# KiCad board Registers.kicad_pcb (continued)
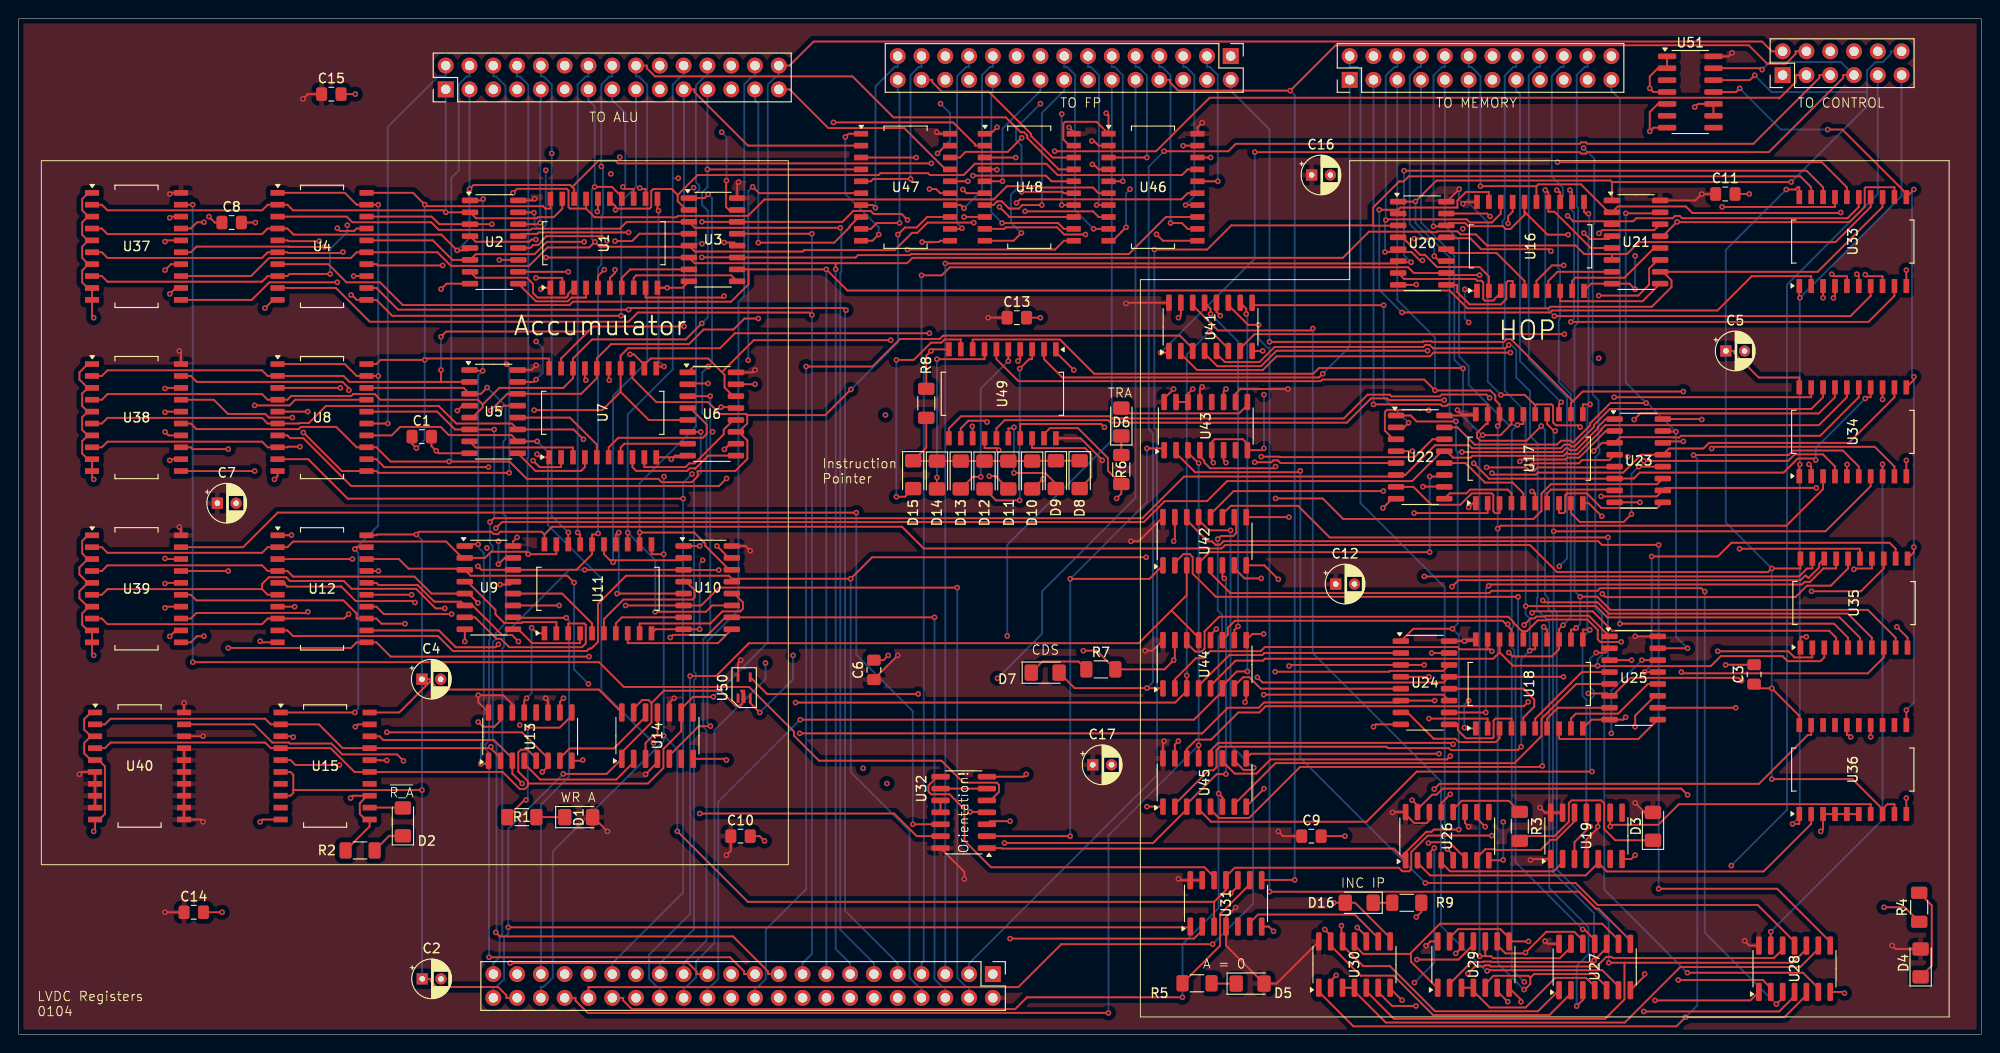
[diagram p0: board, top side]
## Footprints (pads in the part's own frame, mm; a bottom-side part is the same pattern mirrored in y, then rotated)
C_0805_2012Metric_Pad1.18x1.45mm_HandSolder
  rrect 1.175x1.45 smd: 1(-1.038,0) 2(1.038,0)
CP_Radial_D4.0mm_P2.00mm
  rect 1.2x1.2 hole 0.6: 1(0,0)
  round 1.2 hole 0.6: 2(2,0)
LED_1206_3216Metric_Pad1.42x1.75mm_HandSolder
  rrect 1.425x1.75 smd: 1(-1.488,0) 2(1.488,0)
PinHeader_2x06_P2.54mm_Vertical
  rect 1.7x1.7 hole 1: 1(0,0)
  oval 1.7x1.7 hole 1: 2(2.54,0) 3(0,-2.54) 4(2.54,-2.54) 5(0,-5.08) 6(2.54,-5.08) 7(0,-7.62) 8(2.54,-7.62) 9(0,-10.16) 10(2.54,-10.16) 11(0,-12.7) 12(2.54,-12.7)
PinHeader_2x12_P2.54mm_Vertical
  rect 1.7x1.7 hole 1: 1(0,0)
  oval 1.7x1.7 hole 1: 2(2.54,0) 3(0,-2.54) 4(2.54,-2.54) 5(0,-5.08) 6(2.54,-5.08) 7(0,-7.62) 8(2.54,-7.62) 9(0,-10.16) 10(2.54,-10.16) 11(0,-12.7) 12(2.54,-12.7) 13(0,-15.24) 14(2.54,-15.24) 15(0,-17.78) 16(2.54,-17.78) 17(0,-20.32) 18(2.54,-20.32) 19(0,-22.86) 20(2.54,-22.86) 21(0,-25.4) 22(2.54,-25.4) 23(0,-27.94) 24(2.54,-27.94)
PinHeader_2x15_P2.54mm_Vertical
  rect 1.7x1.7 hole 1: 1(0,0)
  oval 1.7x1.7 hole 1: 2(2.54,0) 3(0,-2.54) 4(2.54,-2.54) 5(0,-5.08) 6(2.54,-5.08) 7(0,-7.62) 8(2.54,-7.62) 9(0,-10.16) 10(2.54,-10.16) 11(0,-12.7) 12(2.54,-12.7) 13(0,-15.24) 14(2.54,-15.24) 15(0,-17.78) 16(2.54,-17.78) 17(0,-20.32) 18(2.54,-20.32) 19(0,-22.86) 20(2.54,-22.86) 21(0,-25.4) 22(2.54,-25.4) 23(0,-27.94) 24(2.54,-27.94) 25(0,-30.48) 26(2.54,-30.48) 27(0,-33.02) 28(2.54,-33.02) 29(0,-35.56) 30(2.54,-35.56)
PinHeader_2x22_P2.54mm_Vertical
  rect 1.7x1.7 hole 1: 1(0,0)
  oval 1.7x1.7 hole 1: 2(2.54,0) 3(0,-2.54) 4(2.54,-2.54) 5(0,-5.08) 6(2.54,-5.08) 7(0,-7.62) 8(2.54,-7.62) 9(0,-10.16) 10(2.54,-10.16) 11(0,-12.7) 12(2.54,-12.7) 13(0,-15.24) 14(2.54,-15.24) 15(0,-17.78) 16(2.54,-17.78) 17(0,-20.32) 18(2.54,-20.32) 19(0,-22.86) 20(2.54,-22.86) 21(0,-25.4) 22(2.54,-25.4) 23(0,-27.94) 24(2.54,-27.94) 25(0,-30.48) 26(2.54,-30.48) 27(0,-33.02) 28(2.54,-33.02) 29(0,-35.56) 30(2.54,-35.56) 31(0,-38.1) 32(2.54,-38.1) 33(0,-40.64) 34(2.54,-40.64) 35(0,-43.18) 36(2.54,-43.18) 37(0,-45.72) 38(2.54,-45.72) 39(0,-48.26) 40(2.54,-48.26) 41(0,-50.8) 42(2.54,-50.8) 43(0,-53.34) 44(2.54,-53.34)
R_1206_3216Metric_Pad1.30x1.75mm_HandSolder
  rrect 1.3x1.75 smd: 1(-1.55,0) 2(1.55,0)
SO-14_3.9x8.65mm_P1.27mm
  rrect 1.95x0.6 smd: 1(-2.475,3.81) 2(-2.475,2.54) 3(-2.475,1.27) 4(-2.475,0) 5(-2.475,-1.27) 6(-2.475,-2.54) 7(-2.475,-3.81) 8(2.475,-3.81) 9(2.475,-2.54) 10(2.475,-1.27) 11(2.475,0) 12(2.475,1.27) 13(2.475,2.54) 14(2.475,3.81)
SO-16_3.9x9.9mm_P1.27mm
  rrect 1.75x0.6 smd: 1(-2.575,4.445) 2(-2.575,3.175) 3(-2.575,1.905) 4(-2.575,0.635) 5(-2.575,-0.635) 6(-2.575,-1.905) 7(-2.575,-3.175) 8(-2.575,-4.445) 9(2.575,-4.445) 10(2.575,-3.175) 11(2.575,-1.905) 12(2.575,-0.635) 13(2.575,0.635) 14(2.575,1.905) 15(2.575,3.175) 16(2.575,4.445)
SO-20_12.8x7.5mm_P1.27mm
  rect 1.5x0.6 smd: 1(-4.75,5.715) 2(-4.75,4.445) 3(-4.75,3.175) 4(-4.75,1.905) 5(-4.75,0.635) 6(-4.75,-0.635) 7(-4.75,-1.905) 8(-4.75,-3.175) 9(-4.75,-4.445) 10(-4.75,-5.715) 11(4.75,-5.715) 12(4.75,-4.445) 13(4.75,-3.175) 14(4.75,-1.905) 15(4.75,-0.635) 16(4.75,0.635) 17(4.75,1.905) 18(4.75,3.175) 19(4.75,4.445) 20(4.75,5.715)
SOIC-6
  rect 0.3x1 smd: 1(-0.65,-1.125) 2(0,-1.125) 3(0.65,-1.125) 4(0.65,1.125) 5(-0.65,1.125)

## Nets
+5V: C6.1 C7.1 C8.1 C9.1 C10.1 C11.1 C12.1 C13.1 C14.1 C15.1 C16.1 C17.1 D1.2 D3.2 D4.2 D5.2 J1.2 U2.16 U3.16 U5.16 U6.16 U9.16 U10.16 U13.11 U13.14 U13.16 U14.4 U14.10 U16.20 U17.20 U18.20 U19.1 U19.4 U19.10 U19.13 U19.14 U20.16 U21.16 U22.16 U23.16 U24.16 U25.16 U26.11 U26.14 U26.16 U27.14 U28.14 U29.14 U30.14 U31.4 U31.10 U31.13 U31.14 U32.14 U37.20 U38.20 U39.20 U40.6 U40.7 U40.8 U40.9 U40.11 U40.12 U40.13 U40.14 U40.15 U40.16 U40.17 U40.18 U40.20 U41.16 U42.16 U43.6 U43.10 U43.13 U43.16 U44.16 U45.16 U46.20 U47.20 U48.20 U49.20 U50.5 U51.14
+6V: C1.1 C2.1 C3.1 C4.1 C5.1 J1.42 U1.20 U4.20 U7.20 U8.20 U11.20 U12.20 U14.14 U15.6 U15.8 U15.20 U33.20 U34.20 U35.20 U36.8 U36.9 U36.20
GND: C1.2 C2.2 C3.2 C4.2 C5.2 C6.2 C7.2 C8.2 C9.2 C10.2 C11.2 C12.2 C13.2 C14.2 C15.2 C16.2 C17.2 J1.1 J2.5 J2.12 J2.19 J2.26 J3.6 J3.10 J4.17 J4.24 J5.4 J5.6 R2.1 R6.1 R7.2 R8.1 R9.1 U1.1 U1.10 U2.8 U2.15 U3.8 U3.15 U4.10 U5.8 U5.15 U6.8 U6.15 U7.1 U7.10 U8.10 U9.8 U9.15 U10.8 U10.15 U11.1 U11.10 U12.10 U13.8 U13.10 U13.13 U13.15 U14.7 U15.10 U15.11 U15.13 U15.19 U16.1 U16.10 U17.1 U17.10 U18.1 U18.10 U19.7 U20.8 U21.8 U22.8 U23.8 U24.8 U25.8 U26.8 U26.10 U26.13 U27.7 U28.7 U29.7 U30.7 U31.7 U32.7 U33.10 U34.10 U35.10 U36.3 U36.4 U36.5 U36.6 U36.10 U37.1 U37.3 U37.5 U37.7 U37.9 U37.10 U37.12 U37.14 U37.16 U37.18 U38.1 U38.3 U38.5 U38.7 U38.9 U38.10 U38.12 U38.14 U38.16 U38.18 U39.1 U39.3 U39.5 U39.7 U39.9 U39.10 U39.12 U39.14 U39.16 U39.18 U40.1 U40.3 U40.5 U40.10 U41.8 U41.15 U42.8 U42.15 U43.5 U43.8 U43.11 U43.14 U43.15 U44.8 U44.15 U45.8 U45.15 U46.1 U46.10 U46.19 U47.1 U47.10 U47.19 U48.1 U48.10 U48.19 U49.1 U49.10 U49.19 U50.3 U51.1 U51.2 U51.4 U51.5 U51.7 U51.9 U51.10
A0: J2.1 U1.19 U2.2 U4.2 U37.2 U46.2
A1: J2.3 U1.18 U2.5 U4.4 U37.4 U46.4
A2: J2.7 U1.17 U2.11 U4.6 U37.6 U46.6
A3: J2.9 U1.16 U2.14 U4.8 U37.8 U46.8
A4: J2.11 U1.15 U3.2 U4.17 U37.11 U46.17
A5: J2.13 U1.14 U3.5 U4.15 U37.13 U46.15
A6: J2.15 U1.13 U3.11 U4.13 U37.15 U46.13
A7: J2.17 U1.12 U3.14 U4.11 U37.17 U46.11
A8: J2.21 U5.2 U7.19 U8.2 U38.2 U47.2
A9: J2.23 U5.5 U7.18 U8.4 U38.4 U47.4
A10: J2.25 U5.11 U7.17 U8.6 U38.6 U47.6
A11: J2.27 U5.14 U7.16 U8.8 U38.8 U47.8
A12: J2.29 U6.2 U7.15 U8.17 U38.11 U47.17
A13: J2.2 U6.5 U7.14 U8.15 U38.13 U47.15
A14: J2.4 U6.11 U7.13 U8.13 U38.15 U47.13
A15: J2.6 U6.14 U7.12 U8.11 U38.17 U47.11
A16: J2.8 U9.2 U11.19 U12.2 U39.2 U48.2
A17: J2.10 U9.5 U11.18 U12.4 U39.4 U48.4
A18: J2.14 U9.11 U11.17 U12.6 U39.6 U48.6
A19: J2.16 U9.14 U11.16 U12.8 U39.8 U48.8
A20: J2.18 U10.2 U11.15 U12.17 U39.11 U48.17
A21: J2.20 U10.5 U11.14 U12.15 U39.13 U48.15
A22: J2.22 U10.11 U11.13 U12.13 U39.15 U48.13
A23: J2.24 U10.14 U11.12 U12.11 U39.17 U48.11
A24: J2.28 U13.2 U14.5 U15.2 U15.17 U40.2
A25: J2.30 J3.2 U13.5 U14.9 U15.4 U15.15 U40.4
ACCUM_ZERO: J3.4 J5.8 U31.8
ACCW: J3.1 U2.1 U3.1 U5.1 U6.1 U9.1 U10.1 U13.1
BUFF_A0: J5.1 U46.18
BUFF_A1: J5.3 U46.16
BUFF_A2: J5.5 U46.14
BUFF_A3: J5.7 U46.12
BUFF_A4: J5.9 U46.3
BUFF_A5: J5.11 U46.5
BUFF_A6: J5.13 U46.7
BUFF_A7: J5.15 U46.9
BUFF_A8: J5.17 U47.18
BUFF_A9: J5.19 U47.16
BUFF_A10: J5.21 U47.14
BUFF_A11: J5.23 U47.12
BUFF_A12: J5.25 U47.3
BUFF_A13: J5.27 U47.5
BUFF_A14: J5.29 U47.7
BUFF_A15: J5.30 U47.9
BUFF_A16: J5.28 U48.18
BUFF_A17: J5.26 U48.16
BUFF_A18: J5.24 U48.14
BUFF_A19: J5.22 U48.12
BUFF_A20: J5.20 U48.3
BUFF_A21: J5.18 U48.5
BUFF_A22: J5.16 U48.7
BUFF_A23: J5.14 U48.9
BUFF_A24: J5.12 U15.3
BUFF_A25: J5.10 U15.5
CDS: D7.2 J3.5 U44.1 U45.1
CLK: J1.40 U1.11 U7.11 U11.11 U14.3 U14.11 U16.11 U17.11 U18.11 U19.3 U19.11 U31.3 U31.11
CSYLLABLE: J3.8 U16.13 U33.8 U41.2
DB0: J1.3 U2.3 U4.18 U20.3 U33.19
DB1: J1.5 U2.6 U4.16 U20.6 U33.18
DB2: J1.7 U2.10 U4.14 U20.10 U33.17
DB3: J1.9 U2.13 U4.12 U20.13 U33.16
DB4: J1.11 U3.3 U4.3 U21.3 U33.15
DB5: J1.13 U3.6 U4.5 U21.6 U33.14
DB6: J1.15 U3.10 U4.7 U21.10 U33.13
DB7: J1.17 U3.13 U4.9 U21.13 U33.12
DB8: J1.19 U5.3 U8.18 U22.3 U34.19
DB9: J1.21 U5.6 U8.16 U22.6 U34.18
DB10: J1.23 U5.10 U8.14 U22.10 U34.17
DB11: J1.25 U5.13 U8.12 U22.13 U34.16
DB12: J1.27 U6.3 U8.3 U23.3 U34.15
DB13: J1.29 U6.6 U8.5 U23.6 U34.14
DB14: J1.31 U6.10 U8.7 U23.10 U34.13
DB15: J1.33 U6.13 U8.9 U23.13 U34.12
DB16: J1.35 U9.3 U12.18 U24.3 U35.19
DB17: J1.37 U9.6 U12.16 U24.6 U35.18
DB18: J1.39 U9.10 U12.14 U24.10 U35.17
DB19: J1.41 U9.13 U12.12 U24.13 U35.16
DB20: J1.43 U10.3 U12.3 U25.3 U35.15
DB21: J1.4 U10.6 U12.5 U25.6 U35.14
DB22: J1.6 U10.10 U12.7 U25.10 U35.13
DB23: J1.8 U10.13 U12.9 U25.13 U35.12
DB24: J1.10 U13.3 U15.18 U26.3 U36.19
DB25: J1.12 U13.6 U15.16 U26.6 U36.14
HOP_15: J5.2 U17.12 U23.14 U34.9
HOP_COPY: U33.11 U34.11 U35.11 U36.11 U51.11
HOP_DATA_SM: U18.19 U35.2 U44.2
HOP_DM0: J4.19 U18.18 U35.3 U44.5
HOP_DM1: J4.21 U18.17 U35.4 U44.11
HOP_DM2: J4.23 U18.16 U35.5 U44.14
HOP_DS0: J4.16 U18.15 U35.6 U45.2
HOP_DS1: J4.18 U18.14 U35.7 U45.5
HOP_DS2: J4.20 U18.13 U35.8 U45.11
HOP_DS3: J4.22 U18.12 U35.9 U45.14
HOP_IM0: J4.2 U19.9 U26.5 U36.7
HOP_IM1: J4.4 U16.19 U20.2 U33.2
HOP_IM2: J4.6 U16.18 U20.5 U33.3
HOP_INSTR_SM: U19.5 U26.2 U36.2
HOP_IP0: J4.1 U16.12 U27.2 U30.13 U33.9 U49.2
HOP_IP1: J4.3 U17.19 U27.10 U29.2 U34.2 U49.4
HOP_IP2: J4.5 U17.18 U27.5 U29.5 U34.3 U49.6
HOP_IP3: J4.7 U17.17 U27.13 U29.10 U34.4 U49.8
HOP_IP4: J4.9 U17.16 U28.1 U29.12 U34.5 U49.17
HOP_IP5: J4.11 U17.15 U28.5 U30.1 U34.6 U49.15
HOP_IP6: J4.13 U17.14 U28.10 U30.5 U34.7 U49.13
HOP_IP7: J4.15 U17.13 U28.13 U34.8 U49.11
HOP_IS0: J4.8 U16.17 U20.11 U33.4
HOP_IS1: J4.10 U16.16 U20.14 U33.5
HOP_IS2: J4.12 U16.15 U21.2 U33.6
HOP_IS3: J4.14 U16.14 U21.5 U33.7
HOPW: J3.12 U20.1 U21.1 U22.1 U23.1 U24.1 U25.1 U26.1 U32.1 U51.12
I0: J1.14
I1: J1.16
I2: J1.18
I3: J1.20
I4: J1.22 U41.3
I5: J1.24 U41.6 U44.3
I6: J1.26 U41.10 U44.6
I7: J1.28 U41.13 U44.10
I8: J1.30 U42.3 U44.13
I9: J1.32 U42.6 U45.3
I10: J1.34 U42.10 U45.6
I11: J1.36 U42.13 U45.10
I12: J1.38 U43.3 U45.13
INC_IP0: U27.3 U41.5
INC_IP1: U27.8 U41.11
INC_IP2: U27.6 U41.14
INC_IP3: U27.11 U42.2
INC_IP4: U28.3 U42.5
INC_IP5: U28.6 U42.11
INC_IP6: U28.8 U42.14
INCPC: J3.9 U30.10
INCPC_ACTUAL: D16.2 U27.1 U30.8 U30.12
NEXT_HOP_CYL: U21.11 U41.4
NEXT_HOP_DATA_SM: U24.2 U44.4
NEXT_HOP_DM0: U24.5 U44.7
NEXT_HOP_DM1: U24.11 U44.9
NEXT_HOP_DM2: U24.14 U44.12
NEXT_HOP_DS0: U25.2 U45.4
NEXT_HOP_DS1: U25.5 U45.7
NEXT_HOP_DS2: U25.11 U45.9
NEXT_HOP_DS3: U25.14 U45.12
NEXT_HOP_IP0: U21.14 U41.7
NEXT_HOP_IP1: U22.2 U41.9
NEXT_HOP_IP2: U22.5 U41.12
NEXT_HOP_IP3: U22.11 U42.4
NEXT_HOP_IP4: U22.14 U42.7
NEXT_HOP_IP5: U23.2 U42.9
NEXT_HOP_IP6: U23.5 U42.12
NEXT_HOP_IP7: U23.11 U43.4
RST: U20.15 U21.15 U22.15 U23.15 U24.15 U25.15 U26.15 U50.4
TRA: J3.7 U32.2 U41.1 U42.1 U43.1 U51.13
~{R_A}: J3.3 U4.1 U4.19 U8.1 U8.19 U12.1 U12.19 U15.1
~{R_H}: J3.11 U33.1 U34.1 U35.1 U36.1
~{RST}: J1.44 U14.1 U14.13 U31.1 U50.2
Net-(D1-K): D1.1 R1.2
Net-(D2-A): D2.2 U15.12
Net-(D2-K): D2.1 R2.2
Net-(D3-K): D3.1 R3.2
Net-(D4-K): D4.1 R4.2
Net-(D5-K): D5.1 R5.2
Net-(D6-A): D6.2 U43.9
Net-(D6-K): D6.1 R6.2
Net-(D7-K): D7.1 R7.1
Net-(D8-A): D8.2 U49.18
Net-(D9-A): D9.2 U49.16
Net-(D10-A): D10.2 U49.14
Net-(D10-K): D8.1 D9.1 D10.1 D11.1 D12.1 D13.1 D14.1 D15.1 R8.2
Net-(D11-A): D11.2 U49.12
Net-(D12-A): D12.2 U49.3
Net-(D13-A): D13.2 U49.5
Net-(D14-A): D14.2 U49.7
Net-(D15-A): D15.2 U49.9
Net-(D16-K): D16.1 R9.2
Net-(U1-D0): U1.2 U2.4
Net-(U1-D1): U1.3 U2.7
Net-(U1-D2): U1.4 U2.9
Net-(U1-D3): U1.5 U2.12
Net-(U1-D4): U1.6 U3.4
Net-(U1-D5): U1.7 U3.7
Net-(U1-D6): U1.8 U3.9
Net-(U1-D7): U1.9 U3.12
Net-(U5-Za): U5.4 U7.2
Net-(U5-Zb): U5.7 U7.3
Net-(U5-Zc): U5.9 U7.4
Net-(U5-Zd): U5.12 U7.5
Net-(U6-Za): U6.4 U7.6
Net-(U6-Zb): U6.7 U7.7
Net-(U6-Zc): U6.9 U7.8
Net-(U6-Zd): U6.12 U7.9
Net-(U10-Za): U10.4 U11.6
Net-(U10-Zb): U10.7 U11.7
Net-(U10-Zc): U10.9 U11.8
Net-(U10-Zd): U10.12 U11.9
Net-(U11-D0): U9.4 U11.2
Net-(U11-D1): U9.7 U11.3
Net-(U11-D2): U9.9 U11.4
Net-(U11-D3): U9.12 U11.5
Net-(U13-Za): U13.4 U14.2
Net-(U13-Zb): U13.7 U14.12
Net-(U13-Zc): R1.1 U13.9
Net-(U16-D0): U16.2 U20.4
Net-(U16-D1): U16.3 U20.7
Net-(U16-D2): U16.4 U20.9
Net-(U16-D3): U16.5 U20.12
Net-(U16-D4): U16.6 U21.4
Net-(U16-D5): U16.7 U21.7
Net-(U16-D6): U16.8 U21.9
Net-(U16-D7): U16.9 U21.12
Net-(U17-D0): U17.2 U22.4
Net-(U17-D1): U17.3 U22.7
Net-(U17-D2): U17.4 U22.9
Net-(U17-D3): U17.5 U22.12
Net-(U17-D4): U17.6 U23.4
Net-(U17-D5): U17.7 U23.7
Net-(U17-D6): U17.8 U23.9
Net-(U17-D7): U17.9 U23.12
Net-(U18-D0): U18.2 U24.4
Net-(U18-D1): U18.3 U24.7
Net-(U18-D2): U18.4 U24.9
Net-(U18-D3): U18.5 U24.12
Net-(U18-D4): U18.6 U25.4
Net-(U18-D5): U18.7 U25.7
Net-(U18-D6): U18.8 U25.9
Net-(U18-D7): U18.9 U25.12
Net-(U19A-D): U19.2 U26.4
Net-(U19B-D): U19.12 U26.7
Net-(U26-Zd): R3.1 U26.12
Net-(U27-Pad4): U27.4 U29.3 U29.4
Net-(U27-Pad9): U27.9 U29.1 U30.11
Net-(U27-Pad12): U27.12 U29.6 U29.9
Net-(U28-Pad2): U28.2 U29.8 U29.13
Net-(U28-Pad4): U28.4 U29.11 U30.2
Net-(U28-Pad9): U28.9 U30.3 U30.4
Net-(U28-Pad12): U28.12 U30.6
Net-(U31A-D): U31.2 U32.3
Net-(U31A-~{Q}): U30.9 U31.6
Net-(U31B-D): U31.12 U32.8
Net-(U31B-Q): R5.1 U31.9
Net-(U32-Pad6): U32.6 U32.9
Net-(U32-Pad10): U32.10 U32.11
Net-(U36-Q3): R4.1 U36.16
Net-(U37-P=R): U32.5 U37.19
Net-(U38-P=R): U32.4 U38.19
Net-(U39-P=R): U32.12 U39.19
Net-(U40-P=R): U32.13 U40.19
Net-(U43-I0a): U28.11 U43.2

Pads without a net: U13 12; U14 6 8; U15 7 9 14; U19 6 8; U26 9; U31 5; U36 12 13 15 17 18; U43 7 12; U50 1; U51 3 6 8

## Via types
v1: diameter 0.6, hole 0.3, Top to Bottom, 711 vias

## Routing (per net, layer and track width the routed paths; a pad name or vN(x,y) marks a point on that pad's centre or on a via; arc(x,y) is an arc through that point)
+5V: length 185.8
  Top w0.2: v1(53.21,53.07) 52.77,52.63 U9.16 ; v1(17.14,54.18) 17.32,54 U39.20 ; v1(200.03,9.47) 200.39,9.11 D4.2 ; v1(78.1,51.64) 77.6,52.15 U10.16 ; U26.14 150.62,22.86 150.32,22.56 149.01,22.56 148.08,23.49 U26.16 146.72,23.73 v1(146.69,23.7) ; v1(112.14,96.85) 112.65,96.34 U48.20 ; v1(162.43,24.21) 162.97,23.67 U19.14 U19.13 ; v1(129.92,13.54) 128.91,12.52 U31.4 128.91,9.47 D5.2 134.3,5.41 U30.14 ; U41.16 118.31,78.12 v1(118.24,78.05) ; v1(93.85,40.46) 91.31,37.92 91.31,37.88 ; v1(129.41,15.06) 130.17,15.82 U31.10 ; v1(123.32,68.91) 122.3,67.89 U43.16 ; v1(115.7,61.29) 115.7,61.34 113.38,63.65 U49.20 ; v1(6.48,27.76) 6.73,28.02 U40.6 U40.7 U40.8 U40.9 ; v1(153.8,90.25) 152.48,88.93 152.44,88.93 ; C15.1 30.86,100.41 v1(30.35,99.9) ; U46.20 125.86,96.85 v1(126.36,97.36) ; v1(134.49,21.67) 135,21.16 136.99,21.16 ; v1(182.95,104.82) 182.57,104.44 U51.14 ; U19.10 168.66,22.25 v1(168.58,22.17) 168.58,22 167.39,20.8 U19.4 ; 181.19,89.74 v1(179.7,89.74) 179.02,89.05 U21.16 ; U2.16 54.9,89.05 v1(55.08,89.23) ; v1(135.51,68.91) 130.43,68.91 129.92,68.4 U43.10 ; C8.1 20.94,86.69 v1(20.3,87.32) ; v1(154.81,22.17) 154.43,22.56 U26.11 ; U29.14 150.71,9.92 v1(150.26,9.46) ; v1(75.56,19.13) 76.03,19.59 76.03,21.16 ; U27.14 163.26,9.66 v1(162.97,9.96) ; D1.2 61.34,23.19 v1(62.87,21.67) ; U28.14 184.78,9.47 v1(184.28,9.98) ; U14.10 69.47,35.38 v1(69.98,35.89) ; U32.14 100.97,17.35 v1(100.97,16.59) ; v1(154.36,41.99) 154.54,42.16 U18.20 155.4,41.99 U24.16 ; U43.6 128.65,61.3 v1(128.91,61.05) ; U43.13 126.11,68.89 v1(126.36,69.14) ; U40.17 U40.16 U40.15 U40.14 U40.13 U40.12 U40.11 19.43,22.94 v1(19.68,22.68) ; v1(56.26,35.89) 56.51,35.64 U13.11 ; C13.1 v1(103.5,76.53) ; v1(66.93,27.76) 68.2,29.03 U14.4 ; U31.13 U31.14 123.95,16.46 v1(123.82,16.59) ; U19.1 161.52,18.72 v1(161.42,18.62) ; U23.16 179.66,65.7 v1(179.7,65.65) ; v1(16.13,89.74) 16.26,89.87 U37.20 ; C14.1 v1(15.62,13.03) ; U13.16 49.06,35.47 v1(49.06,36.21) 51.73,36.21 52.71,35.24 U13.14 ; D3.2 173.61,23.7 v1(172.59,24.71) ; v1(78.61,70.94) 78.36,70.69 U6.16 ; U3.16 76.71,90.86 v1(76.86,91.01) ; U50.5 76.81,39.67 v1(77.09,39.95) ; v1(154.22,88.71) 154.4,88.9 U16.20 ; U22.16 155.44,66.08 U17.20 154.07,66.22 v1(153.62,66.67) ; v1(118.75,52.65) 119.6,52.65 122.17,55.23 ; U47.20 98.17,96.18 v1(98.01,96.34) ; v1(122.3,31.32) 122.17,31.19 122.17,29.46 ; v1(55.24,71.45) 54.74,70.94 U5.16 ; v1(120.27,40.97) 121.05,40.97 122.17,42.09 ; v1(17.14,72.97) 17.32,72.8 U38.20 ; U40.20 v1(17.65,35.38) ; U40.18 v1(19.68,31.83) ; U25.16 v1(172.59,42.49)
  Bottom w0.2: v1(154.22,88.71) 153.8,89.13 v1(153.8,90.25)
+6V: length 450
  Top w0.2: U14.14 61.94,36.81 44.84,36.81 43.95,37.7 ; U34.20 190.12,70.14 185.79,70.14 183.18,72.75 183.18,72.97 C5.1 ; U15.6 29.02,28.02 29.32,27.72 29.32,26.08 ; U1.20 56.77,88.18 56.24,88.18 55.98,88.44 43.52,88.44 v1(43.35,88.61) 42.09,89.87 U4.20 ; 199.01,24.05 199.53,24.57 200.28,24.57 U36.9 ; 199.01,24.05 U36.8 ; 199.01,24.05 195.81,27.25 v1(187.18,27.25) ; J1.42 52.06,3.89 52.06,4.17 51.19,5.05 45.54,5.05 45.51,5.02 44.66,5.02 43.99,5.69 43.99,5.92 C2.1 ; U35.20 190.25,49.75 187.18,49.75 v1(187.18,49.75) 186.8,49.37 164.24,49.37 161.36,52.26 128.81,52.26 128.44,51.88 96.63,51.88 94.31,54.2 56.96,54.2 56.13,53.38 ; 42.46,53.38 38.27,53.38 38.19,53.29 U12.20 ; 42.46,53.38 42.76,53.67 50.46,53.67 50.69,53.44 51.19,53.44 51.41,53.67 55.84,53.67 56.13,53.38 ; 42.46,53.38 v1(42.46,53.38) ; 43.95,37.7 43.95,37.92 C4.1 ; 43.95,37.7 40.62,34.37 U15.20 ; 29.32,26.08 v1(43.05,26.08) ; 29.32,26.08 29.32,25.78 29.02,25.48 U15.8 ; v1(188.73,90.22) 189.7,90.22 189.94,90.46 190.12,90.46 U33.20 ; U36.20 190.12,34.07 190.06,34.07 v1(187.18,36.95) 185.74,36.95 C3.1 ; 56.13,53.38 U11.20 ; U7.20 56.64,72.17 43.5,72.17 v1(43.35,72.02) 38.63,72.02 38.19,71.58 U8.20 ; 41.99,63.83 41.99,63.07 v1(42.46,62.6)
  In1.Cu w0.2: v1(42.46,53.38) v1(42.46,62.6)
  Bottom w0.2: v1(43.35,88.61) v1(43.35,72.02) 43.35,63.49 v1(42.46,62.6) ; v1(42.46,53.38) 43.05,52.79 C4.1 v1(43.05,26.08) 43.05,6.85 43.09,6.82 C2.1 ; v1(187.18,27.25) v1(187.18,36.95) v1(187.18,49.75) 182.28,54.65 C5.1 182.28,83.77 v1(188.73,90.22)
GND: length 457
  Top w0.2: U17.1 155.26,56.72 v1(154.81,56.27) ; U17.10 167.64,56.72 v1(169.04,55.32) ; U9.15 51.89,50.88 v1(51.22,50.21) ; v1(194.94,4.39) 194.81,4.52 U28.7 ; U45.8 132.95,26.2 v1(132.95,26.24) ; v1(79.12,34.37) 78.1,35.38 U50.3 ; 7.37,50.75 6.48,49.85 6.48,49.11 7.37,48.21 ; 7.37,50.75 6.77,51.35 6.77,52.69 7.37,53.29 U39.1 ; 7.37,50.75 U39.3 ; v1(124.33,94.9) 124.34,94.91 U46.19 ; U11.1 55.35,42.82 v1(54.76,43.42) ; v1(149.22,12.52) 149.76,13.06 R9.1 ; U32.7 107.31,27.51 v1(107.57,27.76) ; 7.7,31.83 6.98,31.11 6.98,30 7.7,29.29 U40.5 8.53,29.29 9.2,28.62 9.2,23.54 8.6,22.94 U40.10 8.15,21.82 v1(8,21.67) ; 7.7,31.83 6.98,32.54 6.98,33.65 7.7,34.37 U40.1 ; 7.7,31.83 U40.3 ; v1(75.56,91.16) 75.53,91.13 75.53,88.34 75.83,88.04 U3.15 ; v1(16.13,61.29) 16.26,61.42 U38.12 ; v1(200.53,43.51) 201.68,42.37 U35.10 ; v1(123.82,76.53) 124.08,76.78 U41.15 ; v1(15.62,84.66) 15.75,84.79 U37.16 ; C9.2 v1(141.6,21.16) ; v1(79.63,20.65) 79.12,21.16 C10.2 ; C8.2 v1(25.27,86.69) ; U47.19 98.93,94.91 v1(98.1,94.08) ; v1(16.13,42.49) 16.76,43.13 U39.12 ; v1(15.62,45.54) 15.75,45.67 U39.14 ; v1(35.94,32.84) 36.2,33.1 U15.19 ; U2.15 54.97,87.78 v1(55,87.75) ; U38.7 7.37,63.96 ; 7.37,63.96 6.77,64.56 6.77,65.9 7.37,66.5 ; 7.37,63.96 6.77,63.36 6.77,62.02 7.37,61.42 U38.9 U38.10 7.82,59.44 v1(8,59.26) ; U7.10 71.25,61.62 U6.8 70.08,61.8 v1(69.68,61.41) ; U31.7 133.48,11.51 v1(133.98,11) ; v1(178.95,99.02) 179.29,99.36 U51.10 U51.9 ; v1(55.24,69.93) 54.99,69.67 U5.15 ; U18.1 154.45,32.66 v1(154.36,32.75) ; v1(128.91,68.91) 128.65,68.66 U43.11 ; U16.1 154.55,79.4 v1(154.4,79.56) ; 7.37,66.5 6.77,67.1 6.77,68.44 7.37,69.04 U38.3 7.37,69.04 6.48,69.93 6.48,70.68 7.37,71.58 U38.1 ; 7.37,66.5 U38.5 ; v1(172.59,19.13) 172.19,18.72 U19.7 ; C6.2 92.33,39.95 v1(92.84,40.46) ; U39.5 7.37,48.21 ; 7.37,48.21 6.48,47.31 6.48,46.57 7.37,45.67 U39.7 7.49,45.67 6.77,44.95 6.77,43.73 7.37,43.13 U39.9 U39.10 7.82,40.64 v1(8,40.46) ; v1(134.49,48.59) 133,50.08 U42.8 ; U47.10 91.16,84.75 v1(91.82,85.41) ; U49.10 97.59,73.15 v1(97.41,72.97) 96.9,72.47 R8.1 ; v1(15.62,64.34) 16,63.96 U38.14 ; U6.15 v1(78.61,69.42) ; v1(35.43,25.22) 35.69,25.48 U15.13 37.21,25.48 36.41,24.68 36.41,23.54 37.01,22.94 U15.11 37.46,22.2 R2.1 ; v1(45.09,79.58) 45.67,80.16 U2.8 ; v1(60.23,29.29) 60.16,29.22 U13.8 ; v1(49.06,33.35) 49.57,32.84 50.79,32.84 51.43,33.49 U13.15 ; v1(117.22,57.23) 117.73,57.73 R6.1 116.3,60.19 116.3,61.54 113.1,64.74 110.11,64.74 109.47,64.1 U49.19 ; v1(15.62,68.97) 15.69,69.04 U38.18 ; C11.2 v1(184.78,89.74) ; U26.13 151.89,24.68 v1(152.85,25.64) ; v1(145.67,56.21) 146.65,57.19 U22.8 ; U39.16 15.69,48.21 v1(15.62,48.14) ; U39.18 15.69,50.75 v1(15.62,50.82) ; v1(54.23,35.89) 53.98,35.64 U13.13 ; v1(112.65,70.94) 110.74,72.85 U49.1 ; v1(127.55,61.05) 127.38,61.22 U43.5 127.38,63.25 127.68,63.55 130.71,63.55 131.19,63.07 U43.8 132.76,62.38 v1(132.95,62.57) ; U29.7 160.4,3.7 v1(160.4,3.46) ; U23.8 173.09,56.81 v1(173.1,56.8) ; C1.2 44.07,62.81 v1(44.58,62.31) 44.83,62.05 U5.8 ; U33.10 v1(201.55,81.61) ; U18.10 167.94,33.6 U25.8 171.32,33.6 v1(171.58,33.86) ; U42.15 123.44,52.78 v1(123.32,52.65) ; U16.10 167.89,80.16 171.99,80.16 v1(172.59,79.56) ; v1(149.22,80.07) 149.19,80.04 U20.8 ; U7.1 55.67,61.62 v1(55.34,61.95) ; v1(123.82,31.32) 123.44,30.94 U45.15 ; v1(118.24,86.18) 117.73,85.67 117.73,85.67 116.81,84.75 U46.10 ; U10.15 75.82,50.88 v1(74.55,52.15) ; U27.7 173.61,6.23 v1(173.61,6.43) ; U37.14 16.26,82.25 v1(15.62,81.61) ; U36.6 U36.5 U36.4 U36.3 192.66,21.92 v1(192.41,21.67) ; U9.8 v1(47.62,41.95) ; U4.10 27.18,78.44 v1(26.29,77.55) ; U48.1 103.77,96.18 v1(104.46,96.86) ; v1(88.26,95.83) 88.61,96.18 U47.1 ; U26.10 155.7,23.05 v1(156.58,22.17) ; U41.8 132.81,72.97 v1(132.82,72.98) ; U37.7 7.44,82.25 ; 7.44,82.25 6.77,81.58 6.77,80.3 7.37,79.71 U37.9 U37.10 7.82,76.71 v1(8,76.53) ; 7.44,82.25 6.77,82.92 6.77,84.12 7.44,84.79 U37.5 7.37,84.79 6.77,85.39 6.77,86.73 7.37,87.33 U37.3 7.44,87.33 6.77,88 6.77,89.2 7.44,89.87 U37.1 ; v1(16.13,87.2) 16.26,87.33 U37.18 ; C3.2 182.27,39.47 v1(182.25,39.45) ; v1(69.24,79.73) U1.10 70.87,79.73 U3.8 ; v1(147.7,3.63) 146.43,4.9 U30.7 ; v1(55.75,79.58) 55.9,79.73 U1.1 ; U48.19 112.2,94.91 111.54,95.56 111.54,97.27 111.72,97.45 115.08,97.45 U46.1 116.36,98.13 v1(116.11,98.37) ; C13.2 v1(109.09,76.53) ; U13.10 57.79,35.51 v1(58.16,35.89) ; v1(130.94,35.47) 131.06,35.6 U44.8 ; 156.97,18.58 158.48,18.58 v1(158.51,18.62) ; v1(72.7,43.25) 72.7,43.26 U10.8 68,43.26 U11.10 ; U51.1 U51.2 175.03,103.17 174.15,102.3 v1(174.15,101.02) 174.54,100.63 U51.4 ; v1(27.3,59.26) 27.63,59.59 U8.10 ; v1(113.66,40.97) 115.1,40.97 R7.2 122.34,38.97 v1(123.32,39.95) 123.44,40.08 U44.15 ; v1(75.56,29.29) 75.44,29.42 U14.7 ; U51.5 175.03,99.36 174.15,98.49 v1(174.15,96.42) 174.55,96.82 U51.7 ; U38.16 15.69,66.5 v1(15.62,66.43) ; 147.57,33.1 144.91,33.1 v1(144.65,32.84) ; 19.73,13.03 v1(21.72,13.03) ; C15.2 v1(35.94,100.41) ; v1(16.13,79.07) 16.76,79.71 U37.12 ; U34.10 v1(201.55,61.29) ; U12.10 25.91,41.86 v1(25.78,41.99) ; U43.15 U43.14 124.84,68.4 v1(125.35,68.91) ; v1(107.06,85.58) 106.22,84.75 U48.10 ; U15.10 26.04,22.94 v1(25.78,22.68) ; U36.10 v1(201.55,25.22)
  Bottom w0.2: v1(82.68,40.46) 82.68,37.92 v1(79.12,34.37) ; v1(55.24,69.93) 55.96,70.64 55.96,73.28 v1(55.24,73.99) ; v1(154.4,79.56) 154.4,76.44 v1(154.81,76.02) ; v1(91.82,85.41) 91.82,86.18 88.26,89.74 v1(88.26,95.83) ; v1(172.59,79.56) v1(172.59,83.13) ; v1(154.81,35.63) 154.36,35.18 v1(154.36,32.75) ; v1(75.06,96.34) 75.56,95.83 v1(75.56,91.16) ; v1(118.24,86.18) 118.24,89.83 v1(118.65,90.25) ; v1(158.51,18.62) v1(158.51,22.68) ; v1(55,87.75) 55.08,87.67 55.08,86.42 55.43,86.06 55.93,86.06 56.28,86.42 v1(56.28,92.28) ; v1(109.09,99.39) 106.49,96.79 106.49,95.49 107.06,94.91 107.06,90.8 105.94,89.68 105.94,86.7 v1(107.06,85.58) ; v1(73.03,50.62) 72.7,50.3 v1(72.7,43.25) ; v1(54.76,43.42) 54.76,36.42 v1(54.23,35.89) ; v1(51.22,50.21) v1(51.22,52.65) ; v1(98.1,94.08) 99.44,95.41 99.44,98.37 v1(98.42,99.39) ; v1(132.95,62.57) v1(132.95,68.31)
A0: length 139.6
  Top w0.2: U46.2 115.31,94.91 114.81,95.41 v1(114.57,95.41) ; U37.2 8.87,88.59 9.48,87.99 25.98,87.99 26.58,88.59 U4.2 28.69,88.59 29.29,87.99 45.38,87.99 v1(45.59,87.78) U2.2 48.82,87.15 55.31,87.15 55.43,87.27 57.13,87.27 58.04,88.18 U1.19
  In2.Cu w0.2: v1(114.57,95.41) 114.3,95.13 52.24,95.13 46.74,100.63 46.74,100.91 J2.1
  Bottom w0.2: J2.1 45.59,87.78 v1(45.59,87.78)
A1: length 131.1
  Top w0.2: 59.1,90.49 59.31,90.28 U1.18 ; 59.1,90.49 61.9,93.29 63.7,93.29 63.98,93.01 v1(97.44,93.01) ; 59.1,90.49 58.89,90.7 48.57,90.7 v1(48.13,90.26) ; U2.5 47.93,83.71 v1(46.81,83.71) 45.12,85.4 29.34,85.4 28.69,86.06 U4.4 26.58,86.06 25.98,85.45 9.48,85.45 8.87,86.06 U37.4 ; v1(114.63,92.9) 114.77,92.9 115.31,92.37 U46.4
  In2.Cu w0.2: v1(114.63,92.9) 114.52,93.01 v1(97.44,93.01)
  Bottom w0.2: J2.3 v1(48.13,90.26) 48.13,85.03 v1(46.81,83.71)
A2: length 134.7
  Top w0.2: U1.17 60.58,88.18 ; 60.58,88.18 58.87,88.18 58.71,88.34 58.71,90.11 58.52,90.29 53.19,90.29 v1(52.77,89.87) ; 60.58,88.18 61.5,87.26 70.24,87.26 70.38,87.4 77.86,87.4 79.62,89.16 104.11,89.16 105.52,90.58 108.71,90.58 108.85,90.43 114.7,90.43 115.31,89.83 U46.6 ; U37.6 8.87,83.52 9.48,82.91 25.98,82.91 26.58,83.52 U4.6 28.69,83.52 28.76,83.44 34.52,83.44 v1(34.62,83.54) ; U2.11 v1(51.32,82.7)
  In1.Cu w0.2: J2.7 53.21,90.31 v1(52.77,89.87) 51.32,88.42 v1(51.32,82.7)
  In2.Cu w0.2: v1(34.62,83.54) 35.46,82.7 38.04,82.7 38.04,82.7 43.74,82.7 44.14,83.1 44.84,83.1 44.85,83.11 45.68,83.11 45.69,83.1 47.66,83.1 47.89,82.87 47.89,82.7 v1(51.32,82.7)
A3: length 139.7
  Top w0.2: U46.8 115.31,87.29 114.7,87.89 v1(107.46,87.89) ; U2.14 55.53,86.51 v1(55.68,86.66) ; U37.8 8.87,80.98 9.48,80.37 25.98,80.37 26.58,80.98 U4.8 28.69,80.98 28.91,81.2 v1(33.25,81.2) ; v1(61.79,87.86) 61.85,87.92 U1.16
  In1.Cu w0.2: v1(63.22,91.89) 63.22,89.29 v1(61.79,87.86)
  In2.Cu w0.2: v1(61.79,87.86) 56.87,87.86 v1(55.68,86.66) 52.24,86.66 51.46,85.88 35.62,85.88 v1(35.09,86.41) ; v1(63.22,91.89) 67.02,91.89 67.67,91.24 69.16,91.24 72.1,88.3 81.02,88.3 82.05,87.27 91.89,87.27 92.19,87.57 97.98,87.57 100.1,85.45 105.02,85.45 v1(107.46,87.89)
  Bottom w0.2: J2.9 55.75,99.76 55.68,99.69 v1(55.68,86.66) ; v1(35.09,86.41) 35.09,85.7 33.25,83.85 v1(33.25,81.2)
A4: length 143.1
  Top w0.2: v1(34.02,86.09) 34.3,85.8 35.83,85.8 36.08,86.06 U4.17 ; 63.72,88.18 67.35,88.18 67.53,88.36 67.53,90.04 67.77,90.28 69.72,90.28 70.36,89.64 ; 63.72,88.18 v1(63.72,88.04) ; 63.72,88.18 63.72,88.42 63.12,89.02 U1.15 ; v1(34.02,80.31) 26.76,80.31 24.89,78.44 U37.11 ; 70.36,89.64 72.49,91.76 91.81,91.76 92.01,91.96 97.1,91.96 97.3,91.76 100.89,91.76 102.1,92.97 109.73,92.97 110.93,91.76 124.2,91.76 124.81,92.37 U46.17 ; 70.36,89.64 70.36,88.97 71.29,88.04 U3.2
  In1.Cu w0.2: J2.11 58.29,98.63 63.83,93.1 63.83,88.15 v1(63.72,88.04) ; v1(34.02,80.31) v1(34.02,86.09)
  In2.Cu w0.2: v1(63.72,88.04) 61.56,85.88 52.23,85.88 51.82,85.48 34.63,85.48 v1(34.02,86.09)
A5: length 134.7
  Top w0.2: v1(61.49,90.5) 63.34,90.5 64.39,89.44 U1.14 ; v1(106.54,88.79) 106.92,89.17 124.15,89.17 124.81,89.83 U46.15 ; U37.13 24.81,80.98 26.74,82.91 35.48,82.91 36.08,83.52 U4.15 44.71,83.52 46.16,82.07 54.49,82.07 56.45,84.03 60.92,84.03 v1(61.52,84.63) 62.04,84.11 71.44,84.11 U3.5 72.19,83.59 83.72,83.59 83.88,83.75 93.54,83.75 95.38,85.6 95.95,85.6 97.04,86.68 v1(101.98,86.68)
  In2.Cu w0.2: v1(106.54,88.79) 105.51,87.75 103.05,87.75 v1(101.98,86.68)
  Bottom w0.2: J2.13 60.83,99.76 61.49,99.1 v1(61.49,90.5) 61.19,90.19 61.19,84.96 v1(61.52,84.63)
A6: length 135
  Top w0.2: U46.13 122.48,87.29 118.52,83.32 95.26,83.32 95.14,83.21 89.61,83.21 89.35,82.96 U3.11 76.69,82.97 v1(72.94,82.97) ; v1(64.52,90.5) 64.73,90.28 65.66,90.28 U1.13 ; v1(32.64,84.1) 28.88,84.1 28.85,84.12 18.98,84.12 18.37,83.52 U37.15 ; v1(35.76,80.98) U4.13
  In2.Cu w0.2: 65.78,89.23 v1(64.52,90.5) ; 65.78,89.23 61.79,85.24 59.48,85.24 56.33,82.09 46.13,82.09 45.51,82.71 45.01,82.71 43.28,80.98 v1(35.76,80.98) v1(32.64,84.1) ; 65.78,89.23 72.04,82.97 v1(72.94,82.97)
  Bottom w0.2: J2.15 63.37,99.76 64.77,98.36 64.77,90.75 v1(64.52,90.5)
A7: length 141.9
  Top w0.2: U1.12 66.93,90.28 66.41,90.28 v1(66.3,90.38) ; v1(94.9,86.97) 94.26,87.61 91.28,87.61 90.96,87.93 89.11,87.93 87.94,86.77 U3.14 v1(72.95,86.77) ; U46.11 122.17,84.75 v1(121.48,85.44) ; v1(35.48,78.95) 35.57,78.95 36.08,78.44 U4.11 38.19,78.44 39.89,76.73 v1(64.32,76.73) ; v1(19.78,86.72) 19.04,86.72 18.37,86.06 U37.17
  In2.Cu w0.2: v1(66.3,90.38) 66.39,90.3 68.35,90.3 71.88,86.77 v1(72.95,86.77) ; v1(19.78,86.72) 27.55,78.95 v1(35.48,78.95) ; v1(94.9,86.97) 97.93,86.97 100.29,84.61 116.44,84.61 117.26,85.44 v1(121.48,85.44)
  Bottom w0.2: J2.17 65.91,90.5 ; 65.91,90.5 66.19,90.5 v1(66.3,90.38) ; 65.91,90.5 64.32,88.91 v1(64.32,76.73)
A8: length 124.4
  Top w0.2: v1(45.09,74.5) 45.64,75.05 60.79,75.05 ; v1(71.04,75.6) 61.34,75.6 60.79,75.05 ; 7.82,70.31 8.87,70.31 9.48,70.91 25.98,70.91 26.58,70.31 34.68,70.31 35.31,69.67 45.09,69.67 ; U47.2 77.87,94.91 72.14,100.63 72.14,100.91 J2.21 ; 45.09,69.67 v1(45.09,70.94) ; 45.09,69.67 U5.2 ; 60.79,75.05 57.91,72.17 57.91,71.12
  Bottom w0.2: J2.21 70.99,99.76 71.04,99.72 v1(71.04,75.6) ; v1(45.09,70.94) v1(45.09,74.5)
A9: length 115.4
  Top w0.2: 49.55,67.26 49.55,66.97 48.44,65.86 U5.5 ; 49.55,67.26 49.04,67.77 38.61,67.77 38.01,68.37 35.7,68.37 35.5,68.17 29.09,68.17 28.69,67.77 U8.4 26.58,67.77 25.98,68.37 9.48,68.37 8.87,67.77 U38.4 ; 49.55,67.26 51.32,69.04 58.15,69.04 59.18,70.07 U7.18 59.18,72.17 61.22,74.21 71.22,74.21 v1(72.93,75.92) ; U47.4 v1(73.53,92.37)
  Bottom w0.2: v1(72.93,75.92) 73.57,76.56 73.57,87.96 72.97,88.57 72.97,89.91 73.53,90.47 v1(73.53,92.37) J2.23
A10: length 123.1
  Top w0.2: v1(78.36,90.51) 79.05,89.83 U47.6 ; v1(60.55,69.85) 60.45,69.94 60.45,71.12 ; U38.6 8.87,65.23 9.48,65.83 25.98,65.83 26.58,65.23 U8.6 29.93,65.23 29.97,65.27 30.96,65.27 32.79,67.1 44.85,67.1 46.72,65.23 52.65,65.23 U5.11 59.25,64.59 v1(60.3,63.54)
  In1.Cu w0.2: v1(60.3,63.54) 60.55,63.79 v1(60.55,69.85) ; v1(78.36,90.51) 78.36,97.47 76.07,99.76 J2.25
  In2.Cu w0.2: v1(60.55,69.85) 62.68,71.98 v1(77.9,71.98)
  Bottom w0.2: v1(77.9,71.98) 77.9,90.04 v1(78.36,90.51)
A11: length 115.4
  Top w0.2: U47.8 89.71,87.29 88.73,86.3 88.73,86.2 87.07,84.54 v1(78.97,84.54) ; v1(50.38,66.61) 52.17,68.4 U5.14 60.06,68.4 61.72,70.07 U7.16 61.72,72.17 63.26,73.71 71.57,73.71 73.13,75.27 76.31,75.27 77.49,76.44 v1(78.97,76.44) ; U38.8 8.87,62.69 9.48,63.29 25.98,63.29 26.58,62.69 U8.8 28.69,62.69 28.75,62.75 v1(30.03,62.75)
  In1.Cu w0.2: v1(78.97,84.54) v1(78.97,76.44)
  In2.Cu w0.2: v1(30.03,62.75) 30.58,63.3 47.07,63.3 v1(50.38,66.61)
  Bottom w0.2: v1(78.97,84.54) 78.97,99.4 78.61,99.76 J2.27
A12: length 137.4
  Top w0.2: U8.17 29.52,67.77 28.92,67.16 v1(25.19,67.16) ; U6.2 71.52,69.5 v1(73.61,69.5) ; v1(25.19,60.15) U38.11 ; U7.15 62.99,69.91 v1(63.06,69.85) ; J2.29 82.3,100.91 86.44,96.78 94.55,96.78 98.96,92.37 U47.17
  In1.Cu w0.2: v1(25.19,60.15) v1(25.19,67.16) ; v1(73.61,69.5) 81.15,77.05 J2.29
  In2.Cu w0.2: v1(73.61,69.5) 63.4,69.5 v1(63.06,69.85) 62.41,69.2 53.26,69.2 52.39,70.07 49.6,70.07 49.19,69.66 37.58,69.66 37.47,69.78 27.8,69.78 v1(25.19,67.16)
A13: length 158.1
  Top w0.2: U47.15 98.39,89.83 97.95,90.27 v1(97.24,90.27) ; U38.13 18.37,62.69 18.57,62.49 v1(22.37,62.49) ; 64.26,68.61 67.26,65.61 U6.5 ; 64.26,68.61 U7.14 64.26,72.46 65.06,73.26 74.88,73.26 76.48,74.87 v1(97.24,74.87) ; 64.26,68.61 62.31,66.66 v1(55.03,66.66) ; v1(39.4,65.23) 39.4,65.23 U8.15
  In1.Cu w0.2: v1(97.24,74.87) v1(97.24,90.27)
  In2.Cu w0.2: v1(22.37,62.49) 25.11,65.23 v1(39.4,65.23) 41.8,67.63 50.56,67.63 50.83,67.9 51.72,67.9 52.56,67.06 54.63,67.06 v1(55.03,66.66)
  Bottom w0.2: v1(39.4,65.23) 39.4,96.9 44.8,102.3 45.59,102.3 J2.2
